# KiCad board BYOM_Blank_panel.kicad_pcb (continued)
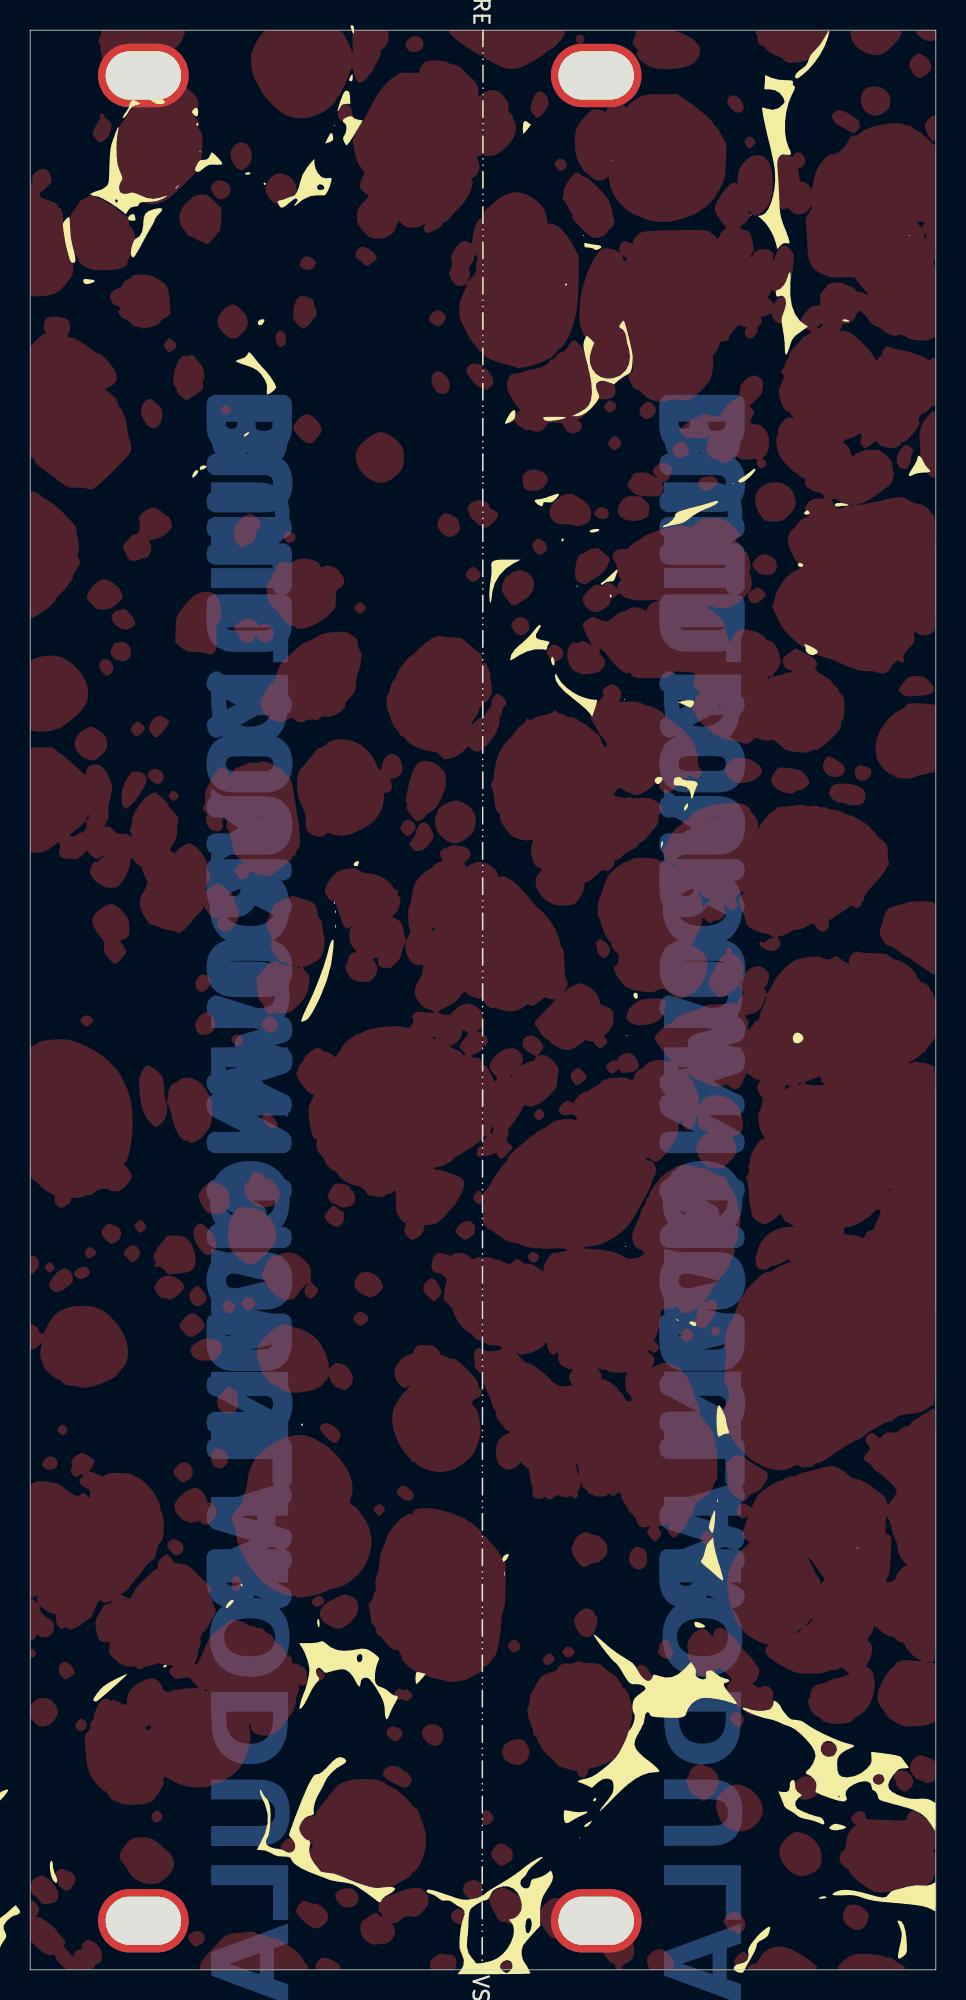
[diagram p0: board, top side]
## Copper pours and planes (outline as drawn; the poured copper is in the pictures) (continued)
Net-(H1-Pad1) on Top: 47.51,0.3 47.45,0.25 47.4,0.2 47.35,0.16 47.3,0.13 46.89,0.13 46.85,0.17 46.81,0.21 46.82,0.87 46.87,0.93 46.93,0.98
Net-(H1-Pad1) on Top: -1.99,65.66 -1.34,65.6 -1.26,65.6 -1.18,65.6 -1.1,65.59 -1.03,65.58 -0.97,65.57 -0.9,65.55 -0.85,65.53 -0.8,65.5 -0.75,65.48 -0.71,65.44 -1.58,64.03 -1.65,63.99 -1.73,63.96 -1.8,63.93 -1.88,63.9 -1.96,63.88 -2.04,63.87 -2.12,63.86 -2.19,63.85 -2.27,63.85 -2.34,63.86 -2.41,63.87 -2.47,63.89 -2.53,63.91 -2.66,64 -2.76,64.12 -2.84,64.23 -2.92,64.34 -2.98,64.44 -3.03,64.54 -3.08,64.64 -3.11,64.72 -3.14,64.81 -3,65.33 -2.95,65.37 -2.89,65.4 -2.83,65.44 -2.76,65.48 -2.68,65.51 -2.6,65.54 -2.51,65.57 -2.43,65.59 -2.35,65.62 -2.27,65.63 -2.19,65.65 -2.11,65.66 -2.05,65.66
Net-(H1-Pad1) on Top: 52.2,12.34 52.23,12.3 52.19,11.65 52.14,11.6 52.09,11.56 52.03,11.52 51.97,11.48 51.91,11.44 51.85,11.41 51.78,11.38 51.71,11.35 51.64,11.33 51.57,11.31 51.49,11.29 51.42,11.28 51.35,11.28 51.28,11.27 50.73,11.56 50.69,11.6 50.66,11.64 50.63,11.68 50.61,11.72 50.59,11.76 50.57,11.8 50.55,11.85 50.54,11.89 50.53,11.93 50.53,11.97 50.52,12.01 50.52,12.05 50.53,12.09 50.53,12.13 50.54,12.17 50.55,12.22 50.57,12.26 50.58,12.29 50.61,12.33 50.63,12.37 50.66,12.41 50.68,12.45 50.72,12.48 50.75,12.52 50.79,12.55 50.83,12.59 50.87,12.62 50.92,12.65 50.97,12.68 51.02,12.71 51.08,12.74 51.12,12.76 51.16,12.78
Net-(H1-Pad1) on Top: 17.36,8.62 16.88,7.59 16.82,7.66 16.92,8.59
Net-(H1-Pad1) on Top: -4.16,58.64 -4.1,58.63 -4.03,58.62 -3.98,58.61 -3.92,58.59 -3.87,58.56 -3.82,58.53 -3.77,58.5 -3.73,58.46 -3.68,58.41 -3.64,58.36 -3.61,58.3 -3.57,58.23 -3.54,58.16 -3.51,58.08 -3.48,57.99 -3.46,57.89 -3.43,57.79 -3.41,57.67 -3.38,57.55 -3.36,57.42 -3.34,57.28 -3.32,57.13 -3.29,56.79 -3.25,56.41 -3.21,55.99 -3.17,55.45 -3.52,55.12 -3.59,55.06 -3.66,54.99 -3.72,54.94 -3.78,54.89 -3.83,54.85 -4.93,55.69 -4.97,55.73 -5,55.78 -5.03,55.83 -5.07,55.89 -5.1,55.95 -5.14,56.02 -5.17,56.08 -5.2,56.14 -5.23,56.2 -5.25,56.26 -5.26,56.31 -5.39,56.87 -5.39,56.97 -5.4,57.07 -5.41,57.17 -5.41,57.33 -5.41,57.4 -5.41,57.46 -5.4,57.52 -5.4,57.57 -5.39,57.63 -5.38,57.68 -5.36,57.73 -5.35,57.78 -5.33,57.83 -5.3,57.88 -5.27,57.94 -5.24,58 -4.98,58.44 -4.92,58.54 -4.47,58.63 -4.39,58.64 -4.31,58.64 -4.23,58.64
Net-(H1-Pad1) on Top: -1.46,110.89 -1.43,110.89 -1.39,110.88 -1.36,110.87 -1.32,110.86 -1.29,110.84 -1.26,110.82 -1.23,110.8 -1.2,110.78 -1.17,110.75 -1.15,110.72 -1.12,110.69 -1.1,110.65 -1.09,110.62 -1.07,110.57 -1.06,110.53 -1.05,110.49 -1.05,110.44 -1.04,110.39 -1.05,110.34 -1.05,110.29 -1.06,110.24 -1.07,110.19 -1.08,110.15 -1.1,110.11 -1.12,110.07 -1.14,110.04 -1.16,110.01 -1.18,109.98 -1.21,109.95 -1.24,109.92 -1.27,109.9 -1.3,109.88 -1.33,109.87 -1.36,109.85 -1.39,109.85 -1.43,109.84 -1.46,109.83 -1.5,109.83 -1.53,109.84 -1.57,109.84 -1.6,109.85 -1.64,109.86 -1.67,109.88 -1.7,109.9 -1.74,109.92 -1.77,109.95 -1.8,109.98 -1.83,110.01 -1.86,110.05 -1.9,110.64 -1.88,110.68 -1.85,110.72 -1.82,110.75 -1.79,110.78 -1.75,110.81 -1.72,110.83 -1.68,110.85 -1.65,110.86 -1.61,110.88 -1.58,110.89 -1.54,110.89 -1.5,110.89
Net-(H1-Pad1) on Top: 5.46,70.6 5.51,70.59 5.55,70.58 5.6,70.55 5.66,70.52 5.72,70.48 5.78,70.43 5.85,70.38 5.92,70.32 5.99,70.26 6.05,70.2 6.12,70.14 6.17,70.08 6.22,70.03 6.26,69.98 6.29,69.94 6.56,69.16 6.57,69 5.05,67.2 5.02,67.25 4.99,67.29 4.96,67.33 4.94,67.37 4.93,67.41 4.91,67.45 4.9,67.49 4.9,67.53 4.89,67.57 4.89,67.62 4.89,68.08 4.88,68.11 4.87,68.14 4.63,68.46 4.57,68.54 4.51,68.61 4.46,68.68 4.41,68.76 4.36,68.83 4.32,68.91 4.28,68.98 4.24,69.06 4.21,69.13 4.18,69.2 4.16,69.27 4.14,69.34 4.13,69.4 4.12,69.46 4.12,69.52 4.12,69.56 4.13,69.61 4.14,69.65 4.16,69.7 4.18,69.75 4.21,69.8 4.24,69.85 4.27,69.9 4.31,69.95 4.35,70 4.39,70.04 4.44,70.09 4.54,70.19 4.64,70.27 4.75,70.35 4.87,70.43 4.93,70.46 4.98,70.49 5.04,70.51 5.1,70.54 5.16,70.56 5.21,70.58 5.27,70.59 5.32,70.6 5.37,70.6 5.42,70.6
Net-(H1-Pad1) on Top: 7.41,78.13 7.38,78.08 7.34,78.02 7.31,77.97 7.05,77.58 6.63,77.12 6.58,77.07 6.53,77.03 6.05,77.76 6.06,77.87 6.07,77.97 6.08,78.07 6.1,78.16 6.11,78.23 6.13,78.3 6.64,79.22
Net-(H1-Pad1) on Top: 43.66,100.6 43.65,100.57 43.64,100.53 43.63,100.5 43.61,100.47 43.59,100.44 43.57,100.41 43.55,100.38 43.52,100.35 43.01,100.18 42.97,100.19 42.93,100.19 42.9,100.2 42.86,100.22 42.83,100.23 42.79,100.25 42.76,100.27 42.73,100.29 42.71,100.32
Net-(H1-Pad1) on Top: outline of 102 points within 9.61,87.13 12.64,91.28
Net-(H1-Pad1) on Top: outline of 198 points within 17.68,75.07 24.67,81.52
Net-(H1-Pad1) on Top: outline of 115 points within 13.1,46.74 16.31,50.51
Net-(H1-Pad1) on Top: outline of 158 points within 15.01,63.33 19.5,71.16
Net-(H1-Pad1) on Top: -1.52,39.28 -1.48,39.27 -1.43,39.25 -1.39,39.23 -1.27,38.46 -1.32,38.44 -1.36,38.42 -1.42,38.4 -1.47,38.39 -1.52,38.38 -1.58,38.37 -1.63,38.37 -1.69,38.37 -1.74,38.37 -1.79,38.37
Net-(H1-Pad1) on Top: 26.82,45.71 26.85,45.68 26.88,45.64 26.92,45.6 26.95,45.55 26.99,45.5 27.02,45.44 27.06,45.38 27.09,45.32 27.12,45.26 27.15,45.19 27.17,45.13 27.19,45.07 27.21,45.01 27.22,44.96 27.2,44.76 27.17,44.72 27.14,44.67 27.11,44.62 27.07,44.57 27.03,44.53 26.99,44.48 26.95,44.44 26.9,44.4 26.86,44.36 26.82,44.33 26.36,44.59 26.29,44.66 26.23,44.73 26.3,45.64 26.34,45.68
Net-(H1-Pad1) on Top: -5.18,15.81 -5.11,15.77 -5.03,15.73 -4.95,15.68 -4.85,15.62 -4.74,15.55 -4.66,15.5 -4.59,15.44 -4.52,15.4 -4.3,14.89 -4.31,14.82 -4.33,14.74 -4.35,14.65 -4.37,14.57 -4.4,14.5 -4.43,14.43 -4.46,14.36 -4.5,14.3 -4.54,14.24 -4.58,14.19 -5.04,13.95 -5.11,13.94 -5.44,14 -5.47,14.02 -5.51,14.05 -5.82,14.34 -5.86,14.38 -6.03,14.79 -6.04,14.85 -6.04,14.93 -6.04,15.1 -6.04,15.27 -6.04,15.34 -6.03,15.41 -6.03,15.46 -6.02,15.51 -5.92,15.69 -5.89,15.72 -5.85,15.74 -5.76,15.79 -5.7,15.82
Net-(H1-Pad1) on Top: 8.68,83.06 8.73,83.05 8.78,83.03 8.83,83.01 8.88,82.98 8.93,82.95 8.97,82.92 9.02,82.89 9.06,82.86 9.1,82.83 9.13,82.8 9.17,82.57 9.14,82.5 9.09,82.43 9.04,82.34 8.97,82.26 8.91,82.17 8.84,82.08 8.76,81.99 8.69,81.91 8.62,81.83 8.55,81.77 8.48,81.71 8.42,81.67 8.06,81.87 8.02,81.91 7.99,81.96 7.92,82.45 7.94,82.5 7.97,82.55 8,82.62 8.04,82.68 8.07,82.74 8.11,82.79 8.15,82.84 8.18,82.88 8.22,82.92 8.26,82.95 8.3,82.98 8.33,83 8.37,83.03 8.42,83.04 8.46,83.06 8.5,83.06 8.55,83.07
Net-(H1-Pad1) on Top: 29.58,106.4 29.64,106.39 29.7,106.38 29.76,106.36 29.81,106.34 29.87,106.32 29.92,106.29 29.97,106.26 30.03,106.23 30.08,106.19 30.13,106.15 30.18,106.1 30.23,106.05 30.28,105.99 30.33,105.93 30.38,105.87 30.44,105.8 30.49,105.72 30.54,105.65 30.58,105.57 30.61,105.51 30.64,105.44 30.67,105.38 30.53,104.88 30.48,104.84 30.39,104.77 29.95,104.75 29.89,104.78 29.75,104.85 29.14,105.48 29.04,105.62 28.98,105.74 28.95,105.78 28.93,105.83 28.91,105.86
Net-(H1-Pad1) on Top: outline of 184 points within 15.24,82.65 21.77,88.65
Net-(H1-Pad1) on Top: outline of 310 points within 30.54,70.5 44.08,84.24
Net-(H1-Pad1) on Top: 16.65,119.01 16.73,119 16.81,118.98 16.9,118.95 16.98,118.92 17.05,118.88 17.13,118.83 17.2,118.78 17.27,118.73 17.33,118.67 17.39,118.61 17.44,118.54 17.52,118.39 17.56,118.3 17.6,118.21 17.62,118.13 17.64,118.06 17.55,117.54 17.51,117.48 17.46,117.41 17.4,117.35 17.33,117.28 17.15,117.11 17.11,117.08 17.07,117.05 17.03,117.02 16.99,117 16.96,116.99 16.92,116.97 16.88,116.96 16.84,116.95 16.46,116.96 16.39,116.97 15.61,117.86 15.6,117.9 15.59,117.94 15.59,117.98 15.59,118.01 15.63,118.25 15.66,118.32 15.69,118.38 15.72,118.45 15.76,118.51 15.8,118.57 15.85,118.63 15.89,118.69 15.94,118.74 16,118.79 16.05,118.83 16.11,118.87 16.17,118.91 16.23,118.94 16.29,118.97 16.35,118.99
Net-(H1-Pad1) on Top: 40.92,19.91 40.98,19.84 41.03,19.76 41.09,19.67 41.14,19.59 41.19,19.52 41.22,19.45 41.25,19.38 41.28,19.32 41.3,19.27 41.31,19.22 41.22,18.93 40.47,19.12 40.4,19.2 40.33,19.28 40.28,19.36 40.23,19.43 40.19,19.5
Net-(H1-Pad1) on Top: outline of 89 points within 6.11,5.69 9.54,8.78
Net-(H1-Pad1) on Top: outline of 104 points within 21.56,98.55 24.77,101.87
Net-(H1-Pad1) on Top: outline of 315 points within 21.4,114.69 32.19,126.5
Net-(H1-Pad1) on Top: outline of 97 points within 39.51,62.58 42.06,64.36
Net-(H1-Pad1) on Top: 33.44,99.4 33.5,99.39 33.56,99.38 33.61,99.37 33.67,99.35 33.73,99.34 33.78,99.32 33.84,99.29 33.89,99.26 33.94,99.23 33.99,99.2 34.04,99.17 34.08,99.13 34.13,99.09 34.17,99.04 34.2,98.99 34.24,98.94 34.21,98.49 34.18,98.44 34.14,98.39 34.1,98.33 34.05,98.28 34,98.23 33.95,98.18 33.89,98.13 33.77,98.06 33.71,98.03 33.63,98.01 33.55,97.99 33.47,97.98 33.39,97.97 33.3,97.97 33.22,97.97 33.14,97.98 33.06,97.99 32.98,98.01 32.92,98.03 32.74,98.17 32.71,98.22 32.69,98.27 32.67,98.34 32.65,98.4 32.64,98.47 32.63,98.54 32.62,98.62 32.62,98.69 32.62,98.76 32.62,98.83 32.63,98.9 32.64,98.96 32.65,99.01 32.69,99.09 32.73,99.14 32.76,99.18 32.8,99.21 32.85,99.25 32.89,99.28 32.94,99.3 32.99,99.33 33.05,99.35 33.1,99.36 33.15,99.38 33.21,99.39 33.27,99.4 33.32,99.4 33.38,99.4
Net-(H1-Pad1) on Top: 31.52,8.25 31.58,8.21 31.7,8.12 31.75,8.09 31.79,8.05 31.97,7.73 31.97,7.68 31.59,7.04 31.52,6.99 30.94,7.06 30.88,7.11 30.82,7.17 30.76,7.24 30.71,7.31 30.73,8.07 30.78,8.13 30.83,8.19
Net-(H1-Pad1) on Top: 15.17,52.84 15.22,52.82 15.27,52.79 15.31,52.77 15.94,52.34 15.98,52.31 16.03,52.27 16.08,52.23 16.13,52.18 16.18,52.13 16.23,52.07 16.27,52.01 16.32,51.95 16.36,51.89 16.4,51.82 16.44,51.75 16.48,51.14 16.45,51.07 15.86,50.56 15.79,50.54 15.7,50.53 15.61,50.51 14.95,50.64 14.88,50.68 14.82,50.72 14.75,50.77 14.68,50.83 14.62,50.88 14.56,50.95 14.5,51.01 14.45,51.07 14.4,51.14 14.35,51.21 14.31,51.27 14.27,51.34 14.24,51.4 14.22,51.46 14.18,51.64 14.18,51.69 14.18,51.75 14.19,51.8 14.2,51.85 14.21,51.9 14.22,51.94 14.24,51.99 14.25,52.03 14.27,52.06 14.29,52.09 14.52,52.38 14.54,52.43 14.56,52.48 14.59,52.53 14.62,52.58 14.65,52.63 14.69,52.67 14.73,52.72 14.76,52.76
Net-(H1-Pad1) on Top: 27.46,105.67 27.52,105.61 27.58,105.54 27.8,105.06 27.81,105 27.81,104.95 27.81,104.9 27.8,104.85 27.79,104.81 27.78,104.76 27.77,104.72 27.75,104.68 27.73,104.64 27.71,104.61 27.69,104.58 27.66,104.55 27.63,104.52 27.6,104.49 27.57,104.47 27.53,104.45 27.49,104.43 27.46,104.42 27.42,104.41 27.38,104.4 27.34,104.4 27.3,104.4 27.26,104.4 27.22,104.41 27.18,104.42 27.13,104.43 27.09,104.45 27.05,104.47 27.01,104.49 26.97,104.52 26.93,104.56 26.9,104.59 26.86,104.64 26.82,104.69 26.79,104.73 26.76,104.78 26.73,104.83 26.7,104.88 26.68,104.93 26.66,104.98 26.64,105.03 26.62,105.08 26.61,105.13 26.6,105.18 26.59,105.23 26.59,105.28 26.59,105.33 26.59,105.38 26.59,105.43 26.59,105.47 26.6,105.52 26.61,105.56 26.63,105.6 26.64,105.64 26.66,105.68 26.68,105.71 26.71,105.74 26.73,105.78 26.76,105.8 26.79,105.83 26.83,105.85 26.86,105.87 26.9,105.89 26.94,105.9
Net-(H1-Pad1) on Top: outline of 86 points within 15.32,44.39 18.99,47.51
Net-(H1-Pad1) on Top: 47.21,80.28 47.27,80.27 47.34,80.27 47.4,80.26 47.45,80.25 47.51,80.24 47.56,80.23 47.61,80.21 47.66,80.2 47.71,80.17 47.76,80.15 47.81,80.12 47.87,80.09 48.04,79.98 48.1,79.94 48.15,79.9 48.2,79.87 48.24,79.83 48.28,79.79 48.31,79.76 48.35,79.72 48.38,79.69 48.4,79.65 48.42,79.62 48.44,79.58 48.46,79.55 48.47,79.51 48.47,79.48 48.48,79.44 48.48,79.41 48.47,79.37 48.47,79.34 48.46,79.31 48.44,79.27 48.42,79.24 48.4,79.2 48.38,79.17 48.35,79.13 48.32,79.1 48.28,79.06 48.24,79.03 48.2,78.99 48.15,78.95 48.1,78.92 48.05,78.88 47.97,78.83 47.89,78.79 47.8,78.75 47.71,78.72 47.62,78.69 47.53,78.67 47.44,78.65 47.35,78.63 47.25,78.63 47.16,78.62 47.06,78.63 46.97,78.63 46.88,78.65 46.79,78.67 46.7,78.69 46.62,78.72 46.39,78.86 46.34,78.9 46.29,78.95 46.24,79 46.2,79.06 46.16,79.11 46.13,79.17 46.1,79.23 46.82,80.27
Net-(H1-Pad1) on Top: outline of 85 points within 43.49,11.28 45.62,13.65
Net-(H1-Pad1) on Top: 55.15,1.07 55.24,1.07 55.43,1.06 55.63,1.04 55.86,1.01 56.11,0.98 56.2,0.97 56.29,0.95 56.38,0.94 56.46,0.92 56.53,0.9 57.7,0.37 57.75,0.34 57.81,0.3 57.88,0.25 57.95,0.19 58.03,0.13 58.1,0.07 58.18,0 58.25,-0.07 58.32,-0.14 58.39,-0.2 58.45,-0.26 58.49,-0.32 58.53,-0.37 58.55,-0.4 58.56,-0.43 58.5,-0.44 58.34,-0.46 57.75,-0.47 55.95,-0.49 54.15,-0.49 53.54,-0.47 53.37,-0.46 53.3,-0.45 53.31,-0.15 53.34,-0.08 53.38,-0.02 53.42,0.05 53.47,0.12 53.52,0.19 53.58,0.26 53.64,0.33 53.71,0.41 53.78,0.48 53.9,0.59 54.01,0.69 54.06,0.73 54.11,0.77 54.16,0.81 54.21,0.84 54.26,0.88 54.32,0.91 54.37,0.93 54.42,0.96 54.48,0.98 54.54,1 54.59,1.02 54.65,1.03 54.72,1.04 54.78,1.05 54.85,1.06 54.92,1.06 55,1.07 55.07,1.07
Net-(H1-Pad1) on Top: 58.36,100.07 58.36,100.03 58.35,99.98 58.34,99.93 58.32,99.87 58.3,99.82 58.28,99.76 58.26,99.71 58.23,99.66 58.2,99.61 58.18,99.57 58.15,99.53 57.42,100.22 57.44,100.29 57.47,100.36 57.5,100.42 57.53,100.49 57.57,100.56 57.61,100.62 57.65,100.69 57.69,100.75 57.74,100.81 57.79,100.86 57.83,100.9 57.88,100.94 57.92,100.98 57.97,101
Net-(H1-Pad1) on Top: 4.97,92.13 5.03,92.11 5.1,92.09 5.17,92.06 5.24,92.02 5.32,91.98 5.39,91.94 5.47,91.89 5.55,91.83 5.62,91.78 5.69,91.72 5.76,91.67 5.82,91.61 5.86,91.56 5.9,91.51 5.93,91.46 5.98,91.38 6.01,91.3 6.05,91.23 6.07,91.16 6.02,90.75 5.98,90.7 5.93,90.65 5.88,90.6 5.81,90.54 5.74,90.48 5.68,90.42 5.62,90.38 5.55,90.33 5.49,90.29 5.43,90.26 5.37,90.23 5.3,90.2 5.24,90.18 5.17,90.16 5.1,90.15 5.03,90.14 4.96,90.13 4.88,90.12 4.8,90.12 4.55,90.13 4.51,90.14 4.47,90.15 4.44,90.16 4.4,90.18 4.37,90.2 4.34,90.22 4.16,90.38 4,90.54 3.94,90.61 3.88,90.67 3.84,91.18 3.91,91.33 3.96,91.41 4.01,91.49 4.06,91.56 4.12,91.63 4.18,91.7 4.25,91.77 4.31,91.83 4.38,91.89 4.45,91.94 4.53,91.99 4.6,92.03 4.67,92.06 4.74,92.09
Net-(H1-Pad1) on Top: -1.42,81.69 -1.42,81.65 -1.43,81.62 -1.44,81.58 -1.45,81.54 -1.47,81.5 -1.49,81.47 -1.9,81.05 -1.93,81.02 -1.97,80.98 -2.01,80.95 -2.05,80.92 -2.09,80.88 -2.14,80.86 -2.18,80.83 -2.69,81.49 -2.63,81.61
Net-(H1-Pad1) on Top: 27.52,96.5 27.58,96.49 27.65,96.48 27.72,96.46 27.8,96.43 27.88,96.4 27.95,96.36 28.03,96.32 28.1,96.28 28.17,96.24 28.23,96.2 28.28,96.15 28.32,96.11 28.37,96.03 28.4,95.92 28.42,95.83 28.44,95.74 28.46,95.66 28.47,95.58 28.47,95.52 28.37,95.23 28.33,95.19 28.28,95.15 28.23,95.11 28.17,95.07 28.11,95.03 27.35,95.11 27.3,95.16 27.24,95.23 27.18,95.3 27.13,95.36 27.08,95.42 27.02,95.95 27.05,96.01
Net-(H1-Pad1) on Top: 57.75,128.39 57.73,128.33 57.71,128.27 57.69,128.21 57.67,128.15 57.64,128.09 57.61,128.03 57.57,127.97 57.53,127.91 57.49,127.85 57.44,127.79 57.39,127.72 57.33,127.65 57.27,127.59 57.2,127.52 57.12,127.44 57.04,127.36 56.94,127.27 56.85,127.19 56.76,127.12 56.67,127.05 56.58,127 55.98,126.85 55.89,126.86 55.79,126.87 55.69,126.9 55.58,126.93 55.49,126.96 55.39,126.99 55.3,127.03 55.22,127.07 55.13,127.11 55.05,127.16 54.98,127.21 54.91,127.26 54.84,127.31 54.78,127.37 54.72,127.43 54.67,127.49 54.62,127.55 54.57,127.62 54.53,127.69 54.49,127.76 54.34,128.36 54.37,128.58 57.8,128.63
Net-(H1-Pad1) on Top: outline of 724 points within -5.7,10.94 18.36,34.22
Net-(H1-Pad1) on Top: 6.54,47.03 6.44,47.13 6.15,47.45 6.35,47.71
Net-(H1-Pad1) on Top: 49.65,1.54 49.73,1.53 49.82,1.52 49.9,1.51 49.98,1.5 50.06,1.48 50.15,1.45 50.23,1.43 50.32,1.4 50.4,1.36 50.49,1.32 50.57,1.28 50.78,1.16 50.98,1.06 51.16,0.95 51.33,0.85 51.48,0.75 51.62,0.65 51.75,0.55 51.87,0.45 51.97,0.36 52.07,0.26 52.15,0.17 52.22,0.07 52.29,-0.02 52.34,-0.12 52.38,-0.22 51.36,-0.49 51.06,-0.49 50.7,-0.49 49.84,-0.49 47.2,-0.49 47.25,-0.26 47.29,-0.15 47.33,-0.09 47.36,-0.03 47.4,0.03 47.45,0.09 47.5,0.14 47.55,0.19 47.61,0.24 47.66,0.28 47.71,0.32 47.77,0.35 48.38,0.85 48.43,0.92 48.47,0.98 48.52,1.04 48.57,1.1 48.63,1.16 48.68,1.21 48.74,1.25 48.8,1.3 48.86,1.34 48.93,1.37 48.99,1.41 49.06,1.44 49.13,1.46 49.2,1.48 49.27,1.5 49.35,1.52 49.42,1.53 49.5,1.53 49.58,1.54
Net-(H1-Pad1) on Top: 18.55,102.99 18.62,102.96 18.68,102.93 18.74,102.88 18.8,102.84 18.86,102.78 18.92,102.73 18.98,102.66 19.04,102.6 19.09,102.53 19.14,102.46 19.18,102.39 19.22,102.31 19.16,101.69 19.11,101.62 19.06,101.55 18.99,101.47 18.91,101.39 18.86,101.33 18.82,101.29 18.26,101.19 18.21,101.21 18.16,101.25 18.1,101.3 18.03,101.35 17.97,101.41 17.9,101.47 17.83,101.54 17.77,101.62 17.71,101.69 17.65,101.76 17.59,101.84 17.54,101.91 17.5,101.97 17.46,102.04 17.44,102.09
Net-(H1-Pad1) on Top: -5.93,125.91 -4.99,125.5 -4.94,125.47 -4.9,125.44 -4.86,125.4 -4.82,125.36 -3.56,123.74 -3.54,123.78 -3.52,123.82 -3.49,123.86 -3.46,123.9 -3.43,123.94 -3.4,123.98 -3.37,124.02 -3.33,124.05 -3.3,124.08 -2.74,123.44 -2.74,123.36 -2.74,123.26 -2.74,123.04 -2.74,122.88 -2.74,122.74 -2.75,122.61 -2.76,122.49 -2.78,122.39 -2.79,122.31 -2.93,121.74 -2.94,121.69 -2.96,121.64 -2.98,121.6 -3.01,121.55 -3.04,121.51 -3.07,121.48 -3.1,121.44 -4.01,121.14 -4.03,121.09 -4.06,121.03 -4.1,120.96 -4.15,120.88 -4.21,120.79 -4.27,120.69 -4.34,120.59 -4.49,120.39 -4.65,120.18 -4.73,120.08 -4.81,119.98 -4.88,119.89 -4.96,119.81 -5.68,119.28 -6.04,119.14 -6.04,122.53 -6.04,123.05 -3.7,123.05 -3.67,122.77 -3.66,122.74 -3.68,123.23 -3.69,123.19 -3.7,123.15 -3.7,123.1 -3.7,123.05 -6.04,123.05 -6.03,123.94 -6.02,125 -5.99,125.68 -5.98,125.85 -5.97,125.9 -5.96,125.91
Net-(H1-Pad1) on Top: 47.01,123.97 47.05,123.92 47.09,123.87 47.13,123.81 47.16,123.75 47.19,123.69 47.22,123.64 47.24,123.58 47.25,123.52 47.26,123.46 46.38,123.36 46.33,123.41 46.29,123.47
Net-(H1-Pad1) on Top: outline of 1626 points within 26.6,28.55 60,67.4
Net-(H1-Pad1) on Top: 16.18,63.01 16.22,62.97 16.25,62.92 16.29,62.87 15.36,62.78 15.39,62.83 15.43,62.87 15.47,62.92 15.52,62.96 15.56,63 15.61,63.04 15.66,63.08 15.71,63.11
Net-(H1-Pad1) on Top: 11.46,106.07 11.5,105.91 11.52,105.78 11.4,104.67 11.37,104.64 11.24,104.55 11.08,104.43 10.9,104.31 10.71,104.19 10.55,104.08 10.43,104.01 10.39,103.99 10.08,104.16 10.03,104.2 9.99,104.23 9.95,104.27 9.91,104.3 9.88,104.34 9.85,104.37 9.82,104.41 9.79,104.44 9.77,104.47 9.75,104.51 9.74,104.54 9.73,104.57 9.72,104.61 9.71,104.64 9.51,105.06 9.49,105.14 9.48,105.23 9.48,105.32 9.48,105.42 9.49,105.53 9.5,105.64 9.52,105.75 9.54,105.87 9.57,105.98 9.61,106.09 9.64,106.2 9.69,106.31 9.73,106.41 9.77,106.48 9.81,106.55 9.85,106.62 9.89,106.68 9.93,106.73 9.97,106.78 10,106.82 10.04,106.85
Net-(H1-Pad1) on Top: 20.54,52.08 20.61,52.08 20.68,52.07 20.75,52.06 20.81,52.04 20.88,52.03 20.93,52.01 20.99,51.99 21.04,51.97 21.09,51.94 21.13,51.92 21.16,51.89 21.42,51.52 21.44,51.47 21.46,51.41 21.48,51.35 21.49,51.29 21.51,51.23 21.52,51.16 21.53,51.1 21.53,51.04 21.51,50.87 21.49,50.83 21.47,50.8 21.45,50.77 21.43,50.75 21.4,50.72 20.6,50.54 20.56,50.55 20.52,50.57 20.48,50.58 20.44,50.6 20.41,50.62 19.83,51.55 19.87,51.62 19.91,51.7 20.47,52.08
Net-(H1-Pad1) on Top: outline of 513 points within 31.59,101.79 50.58,120.23
Net-(H1-Pad1) on Top: 11.27,1.67 11.22,1.64 10.76,1.67 10.72,1.71 10.68,1.76 10.63,1.81 10.6,1.86 10.71,2.47 10.76,2.5 10.81,2.52 10.87,2.54 10.92,2.56 10.97,2.57 11.03,2.57 11.08,2.58
Net-(H1-Pad1) on Top: 60,128.25 59.19,127.9 59.14,127.92 59.09,127.95 59.04,127.98 58.99,128.02 58.94,128.07 58.89,128.11 58.84,128.16 58.79,128.22 58.74,128.27 58.7,128.32 58.66,128.37 58.63,128.42 58.6,128.46 58.88,128.61 59,128.62 59.14,128.62 59.28,128.62 60,128.62
Net-(H1-Pad1) on Top: 2.72,20.14 2.76,20.08 2.8,20.02 2.84,19.95 3.01,19.67 2.72,19.45 2.61,19.37 2.56,19.33 2.52,19.3 2.19,19.31 2.1,19.41 2.06,19.44 2.04,19.48 2.01,19.52 1.99,19.56 1.97,19.59 2.04,20.29 2.06,20.31 2.09,20.33 2.12,20.35 2.16,20.36 2.19,20.38
Net-(H1-Pad1) on Top: -3.77,128.25 -3.78,128.17 -3.8,128.09 -3.82,128.02 -3.84,127.94 -3.87,127.87 -3.9,127.81 -3.93,127.74 -3.97,127.68 -4.01,127.63 -4.06,127.57 -4.1,127.52 -4.16,127.47 -4.21,127.43 -4.27,127.39 -4.34,127.35 -4.4,127.31 -5.1,127.42 -5.17,127.47 -5.23,127.51 -5.51,128.05 -5.51,128.12 -5.51,128.2 -5.49,128.58 -3.73,128.63
Net-(H1-Pad1) on Top: outline of 178 points within 23.6,80.26 31.51,88.37
Net-(H1-Pad1) on Top: 1.03,17.99 1.09,17.97 1.15,17.96 1.2,17.94 1.25,17.93 1.3,17.91 1.35,17.88 1.39,17.86 1.43,17.83 1.47,17.8 1.5,17.76 1.54,17.72 1.58,17.68 1.61,17.63 1.65,17.58 1.69,17.52 1.73,17.46 1.76,17.39 1.74,16.77 1.7,16.7 1.66,16.64 1.61,16.57 1.56,16.5 0.28,16.38 0.23,16.44 0.18,16.5 0.12,16.56 0.07,16.63 -0.02,16.74 -0.19,17.01 -0.03,17.35 0.02,17.44 0.07,17.52 0.12,17.6 0.17,17.67
Net-(H1-Pad1) on Top: outline of 186 points within 14.62,122.66 23.75,128.62
Net-(H1-Pad1) on Top: 59.3,70.78 59.57,70.77 59.68,70.76 59.77,70.74 59.84,70.73 59.95,70.49 59.96,70.41 59.97,70.3 59.98,70.18 59.98,70.03 59.99,69.86 59.99,69.67 60,69.44 60,68.91 60,68.24 59.99,67.29 59.98,66.54 59.97,66.26 59.95,66.06 59.94,65.93 59.93,65.9 59.65,66.06 59.59,66.1 59.52,66.15 59.43,66.21 59.34,66.27 59.25,66.33 59.05,66.45 58.95,66.52 58.85,66.59 58.74,66.66 58.64,66.73 58.55,66.8 58.47,66.86 58.29,67.01 56.46,68.26 56.42,68.33 56.39,68.4 56.36,68.46 56.34,68.53 56.32,68.58 56.3,68.64 56.29,68.69 56.28,68.74 56.28,68.79 56.28,68.84 56.29,68.89 56.3,68.94 56.31,68.98 56.33,69.03 56.35,69.08 56.45,69.33 56.47,69.39 56.51,69.61 56.53,69.67 56.55,69.73 56.57,69.8 56.6,69.87 56.63,69.93 56.66,70 56.7,70.07 56.73,70.13 56.77,70.19 56.81,70.24 56.84,70.28 56.87,70.32 57.74,70.6 57.81,70.61 57.88,70.63 57.99,70.66 58.04,70.68 58.14,70.72 58.21,70.74 58.31,70.75 58.42,70.77 58.69,70.78 59,70.79
Net-(H1-Pad1) on Top: 6.52,87.73 6.55,87.7 6.58,87.66 6.6,87.62 6.62,87.58 6.64,87.54 6.65,87.5 6.66,87.46 6.67,87.41 6.68,87.37 6.68,87.33 6.68,87.29 6.68,87.25 6.67,87.2 6.66,87.16 6.65,87.12 6.64,87.08 6.63,87.05 6.61,87.01 6.59,86.97 6.57,86.94 6.54,86.91 6.52,86.87 6.49,86.84 6.46,86.82 6.43,86.79 6.39,86.77 6.35,86.75 6.32,86.73 6.27,86.71 6.23,86.7 5.7,86.79 5.66,86.82 5.62,86.86 5.57,86.9 5.53,86.94 5.49,86.98 5.45,87.02 5.41,87.07 5.37,87.11 5.32,87.29 5.35,87.37 5.39,87.48 5.44,87.59 5.49,87.71 5.53,87.8 5.57,87.87
Net-(H1-Pad1) on Top: -5.16,31.68 -5.13,31.72 -5.09,31.76 -5.05,31.79 -5,31.83
Net-(H1-Pad1) on Top: 12.9,118.47 12.94,118.45 12.98,118.43 13.02,118.4 13.05,118.37 13.08,118.35 13.11,118.32 13.14,118.29 13.16,118.25 13.19,118.22 13.2,118.19 13.22,118.15 13.27,117.86 13.26,117.82 13.25,117.78 13.24,117.74 13.23,117.71 13.21,117.67 13.19,117.64 13.17,117.6 13.15,117.57 13.12,117.54 13.09,117.51 13.05,117.48 13.02,117.45 12.96,117.41 12.91,117.38 12.86,117.35 12.43,117.36 12.39,117.39
Net-(H1-Pad1) on Top: outline of 149 points within -0.57,38.55 6.48,43.98
Net-(H1-Pad1) on Top: 10.27,33.62 10.31,33.62 10.35,33.61 10.39,33.6 10.42,33.58 10.46,33.56 10.49,33.54 10.53,33.52 10.56,33.49 10.58,33.46 10.61,33.43 10.64,33.4 10.66,33.36 10.68,33.33 10.7,33.29 10.72,33.25 10.73,33.21 10.74,33.17 10.75,33.13 10.76,33.08 10.77,33.04 10.77,33 10.77,32.95 10.77,32.91 10.76,32.87 10.75,32.82 10.74,32.78 10.73,32.74 10.71,32.7 10.69,32.66 10.66,32.62 9.79,32.53 9.73,32.59 9.67,32.65 9.62,32.7 9.56,33.13 9.59,33.18 9.62,33.24 9.66,33.29 9.7,33.34 9.74,33.38 9.77,33.42 9.81,33.46 9.85,33.49 9.89,33.52 10.04,33.6 10.09,33.61 10.13,33.62 10.18,33.62 10.22,33.62
Net-(H1-Pad1) on Top: 9.21,45.98 9.26,45.98 9.32,45.97 9.37,45.96 9.42,45.94 9.48,45.93 9.53,45.9 9.58,45.88 9.64,45.85 9.69,45.82 9.75,45.79 9.8,45.75 9.89,45.69 9.98,44.87 9.91,44.8 9.85,44.74 9.78,44.69 9.72,44.64 9.65,44.59 9.59,44.55 9.52,44.51 9.46,44.48 9.4,44.45 9.35,44.43 9.29,44.42 8.61,44.6 8.57,44.63 8.53,44.67 8.49,44.72 8.45,44.76 8.41,44.81 8.37,44.87 8.34,44.92 8.34,45.48 8.38,45.54 8.41,45.59 8.44,45.63 8.48,45.68 8.52,45.72 8.56,45.75 8.6,45.79 8.64,45.82 8.68,45.85 8.72,45.88 8.77,45.9 8.81,45.92 8.86,45.94 8.91,45.96 8.96,45.97 9.01,45.98 9.06,45.98 9.11,45.99 9.16,45.99
Net-(H1-Pad1) on Top: outline of 81 points within 56.02,78.92 60,83.92
Net-(H1-Pad1) on Top: outline of 173 points within 22.45,19.08 31.5,30.59
Net-(H1-Pad1) on Top: 39.16,2.47 39.28,2.41 39.38,2.35 39.48,2.29 39.57,2.23 39.64,2.16 39.99,1.55 40.01,1.45 40.02,1.35 40.02,1.25 40.02,1.17 40.01,1.1 40.01,1.04 39.99,0.98 39.83,0.67 39.78,0.63 39.73,0.58 39.67,0.54 39.6,0.49 39.53,0.44 39.44,0.39 39.18,0.24 39.39,0.04 39.09,-0.49 38.99,-0.49 38.89,-0.49 38.8,-0.48 38.72,-0.47 38.65,-0.46 38.53,-0.3 38.54,-0.26 38.55,-0.22 38.56,-0.18 38.59,-0.09 38.61,-0.04 38.63,0 38.65,0.03 38.68,0.07 38.48,0.47 38.43,0.51 38.38,0.56 38.32,0.62 38.26,0.69 38.2,0.76 38.14,0.84 38.08,0.93 38.02,1.01 37.97,1.1 37.92,1.18 37.87,1.26 37.84,1.33 37.81,1.4 38.01,2.06 38.08,2.16
Net-(H1-Pad1) on Top: 29.44,5.94 29.49,5.93 29.55,5.92 29.6,5.9 29.66,5.88 29.71,5.85 29.76,5.82 29.81,5.79 29.85,5.76 29.9,5.72 29.93,5.68 29.97,5.64 29.84,4.75 29.8,4.72 29.19,4.66 29.14,4.68 29.09,4.71 29.04,4.74 29,4.78 28.95,4.82 28.91,4.86 28.88,4.9 28.84,4.94 28.81,4.99 28.78,5.03 28.75,5.08 28.73,5.13
